# KiCad board frothfet-12ch.kicad_pcb (continued)
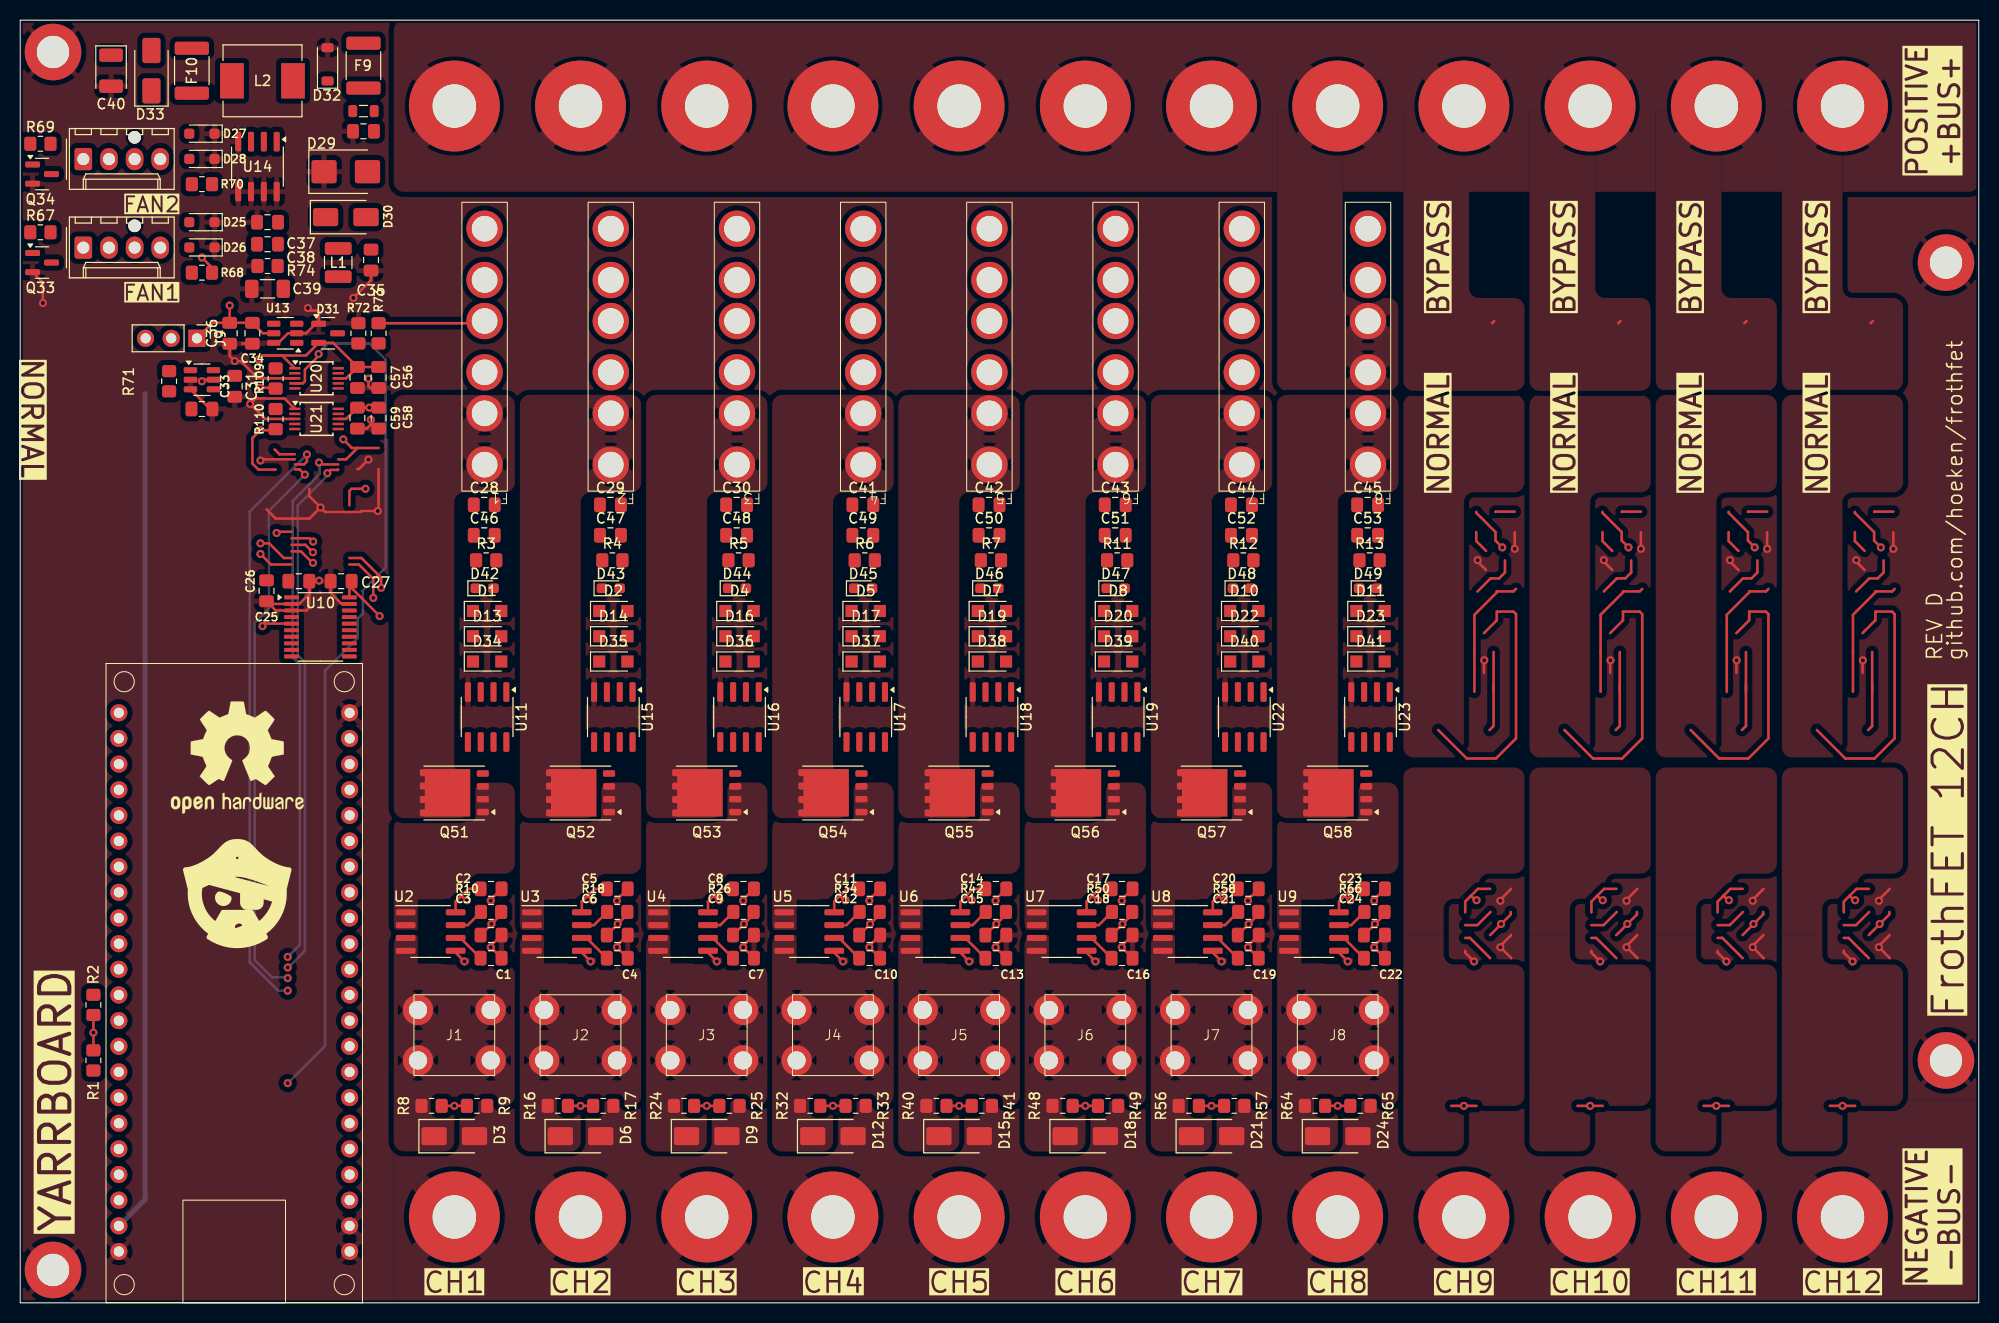
[diagram p0: board, top side]
## Footprints (pads in the part's own frame, mm; a bottom-side part is the same pattern mirrored in y, then rotated) (continued)
ATC Bypass Fuse
  round 3.6 hole 2.54: 1(-11.68,0) 1(-6.6,0) 2(-2.54,0) 2(2.54,0) 3(6.6,0) 3(11.68,0)
Busbar Rev D
  round 9 hole 4.3: 1(0,0) 2(12.5,0) 3(25,0) 4(37.5,0) 5(50,0) 6(62.5,0) 7(75,0) 8(87.5,0) 9(100,0) 10(112.5,0) 11(125,0) 12(137.5,0)
C_0805_2012Metric_Pad1.18x1.45mm_HandSolder
  rrect 1.175x1.45 smd: 1(-1.038,0) 2(1.038,0)
C_1206_3216Metric_Pad1.33x1.80mm_HandSolder
  rrect 1.325x1.8 smd: 1(-1.562,0) 2(1.562,0)
CP_EIA-3528-21_Kemet-B
  rrect 1.325x2.35 smd: 1(-1.538,0) 2(1.538,0)
D_SMA
  rrect 2.5x1.8 smd: 1(-2,0) 2(2,0)
D_SMB
  rrect 2.5x2.3 smd: 1(-2.15,0) 2(2.15,0)
D_SOD-123
  rrect 0.9x1.2 smd: 1(-1.65,0) 2(1.65,0)
D_SOD-323_HandSoldering
  rrect 1x1 smd: 1(-1.25,0) 2(1.25,0)
Fuse_1812_4532Metric_Pad1.30x3.40mm_HandSolder
  rrect 1.3x3.4 smd: 1(-2.225,0) 2(2.225,0)
Infineon_PG-TDSON-8_6.15x5.15mm
  rect 0.9x0.9 smd: (-0.8,1.725) (-0.8,0.575) (-0.8,-0.575) (-0.8,-1.725) (0.425,1.725) (0.425,0.575) (0.425,-0.575) (0.425,-1.725) (1.625,1.725) (1.625,0.575) (1.625,-0.575) (1.625,-1.725)
  rect 4.5x4.7 smd: 1(0.675,0)
  rrect 1x0.7 smd: 1(2.925,1.995) 1(2.925,0.665) 1(2.925,-0.665) 1(2.925,-1.995)
  rrect 1.2x0.65 smd: 2(-2.825,-1.905) 3(-2.825,1.905) 3(-2.825,0.635) 3(-2.825,-0.635)
L_0805_2012Metric
  rrect 0.875x1.2 smd: 1(-1.062,0) 2(1.062,0)
L_1210_3225Metric
  rrect 1.25x2.65 smd: 1(-1.4,0) 2(1.4,0)
L_Chilisin_BMRB00060650
  rect 2.35x3.5 smd: 1(-3.025,0) 2(3.025,0)
LED_0603_1608Metric_Pad1.05x0.95mm_HandSolder
  rrect 1.05x0.95 smd: 1(-0.875,0) 2(0.875,0)
Molex 0470531000
  round 1.25 hole 1.25 unplated: (5.08,2.16)
  rrect 1.74x2.19 hole 1.19: 1(0,0)
  oval 1.74x2.19 hole 1.19: 2(2.54,0) 3(5.08,0) 4(7.62,0)
MountingHole_3.2mm_M3_DIN965_Pad
  round 5.6 hole 3.2: 1(0,0)
Nexperia_CFP3_SOD-123W
  rect 1.2x1.2 smd: 1(-1.4,0) 2(1.4,0)
PinHeader_1x03_P2.54mm_Vertical
  rect 1.7x1.7 hole 1: 1(0,0)
  oval 1.7x1.7 hole 1: 2(0,-2.54) 3(0,-5.08)
R_0805_2012Metric_Pad1.20x1.40mm_HandSolder
  rrect 1.2x1.4 smd: 1(-1,0) 2(1,0)
SOIC-8_3.9x4.9mm_P1.27mm
  rrect 1.95x0.6 smd: 1(-2.475,1.905) 2(-2.475,0.635) 3(-2.475,-0.635) 4(-2.475,-1.905) 5(2.475,-1.905) 6(2.475,-0.635) 7(2.475,0.635) 8(2.475,1.905)
SOT-23
  rrect 1.475x0.6 smd: 1(-0.938,0.95) 2(-0.938,-0.95) 3(0.938,0)
SOT-23-6
  rrect 1.325x0.6 smd: 1(-1.137,0.95) 2(-1.137,0) 3(-1.137,-0.95) 4(1.137,-0.95) 5(1.137,0) 6(1.137,0.95)
T44001
  round 3 hole 1.8: 1(-2.5,3.6) 1(-2.5,-3.6) 1(2.5,3.6) 1(2.5,-3.6)
TSSOP-10_3x3mm_P0.5mm
  rect 1.1x0.25 smd: 1(-2.15,1) 2(-2.15,0.5) 3(-2.15,0) 4(-2.15,-0.5) 5(-2.15,-1) 6(2.15,-1) 7(2.15,-0.5) 8(2.15,0) 9(2.15,0.5) 10(2.15,1)
TSSOP-20_4.4x6.5mm_P0.65mm
  rrect 1.475x0.4 smd: 1(-2.862,2.925) 2(-2.862,2.275) 3(-2.862,1.625) 4(-2.862,0.975) 5(-2.862,0.325) 6(-2.862,-0.325) 7(-2.862,-0.975) 8(-2.862,-1.625) 9(-2.862,-2.275) 10(-2.862,-2.925) 11(2.862,-2.925) 12(2.862,-2.275) 13(2.862,-1.625) 14(2.862,-0.975) 15(2.862,-0.325) 16(2.862,0.325) 17(2.862,0.975) 18(2.862,1.625) 19(2.862,2.275) 20(2.862,2.925)
Waveshare-ESP32-S3-dev-kit
  round 1.7 hole 1: 1(1.27,58.42) 2(1.27,55.88) 3(1.27,53.34) 4(1.27,50.8) 5(1.27,48.26) 6(1.27,45.72) 7(1.27,43.18) 8(1.27,40.64) 9(1.27,38.1) 10(1.27,35.56) 11(1.27,33.02) 12(1.27,30.48) 13(1.27,27.94) 14(1.27,25.4) 15(1.27,22.86) 16(1.27,20.32) 17(1.27,17.78) 18(1.27,15.24) 19(1.27,12.7) 20(1.27,10.16) 21(1.27,7.62) 22(1.27,5.08) 23(24.13,5.08) 24(24.13,7.62) 25(24.13,10.16) 26(24.13,12.7) 27(24.13,15.24) 28(24.13,17.78) 29(24.13,20.32) 30(24.13,22.86) 31(24.13,25.4) 32(24.13,27.94) 33(24.13,30.48) 34(24.13,33.02) 35(24.13,35.56) 36(24.13,38.1) 37(24.13,40.64) 38(24.13,43.18) 39(24.13,45.72) 40(24.13,48.26) 41(24.13,50.8) 42(24.13,53.34) 43(24.13,55.88) 44(24.13,58.42)

## Nets
+3.3V: C2.1 C5.1 C8.1 C11.1 C14.1 C17.1 C20.1 C23.1 C27.1 C34.1 C36.1 C56.1 C57.1 C58.1 C59.1 D31.2 J9.1 R1.2 R2.2 R68.2 R70.2 R109.2 R110.2 U1.1 U1.2 U2.8 U3.8 U4.8 U5.8 U6.8 U7.8 U8.8 U9.8 U10.20 U13.5 U20.1 U20.8 U21.8
+5V: C40.1 D33.2 F10.1 FAN1.2 FAN2.2
+24V: F1.2 F2.2 F3.2 F4.2 F5.2 F6.2 F7.2 F8.2 F9.2 J10.1 J10.2 J10.3 J10.4 J10.5 J10.6 J10.7 J10.8 J10.9 J10.10 J10.11 J10.12 R72.2
GND: C1.2 C2.2 C3.2 C4.2 C5.2 C6.2 C7.2 C8.2 C9.2 C10.2 C11.2 C12.2 C13.2 C14.2 C15.2 C16.2 C17.2 C18.2 C19.2 C20.2 C21.2 C22.2 C23.2 C24.2 C25.2 C26.2 C27.2 C31.2 C32.2 C33.2 C34.2 C35.2 C36.2 C37.2 C39.2 C40.2 C56.2 C57.2 C58.2 C59.2 D3.2 D6.2 D9.2 D12.2 D15.2 D18.2 D21.2 D24.2 D25.1 D26.1 D27.1 D28.1 D29.1 D31.1 D32.2 H1.1 H2.1 H3.1 H4.1 J11.1 J11.2 J11.3 J11.4 J11.5 J11.6 J11.7 J11.8 J11.9 J11.10 J11.11 J11.12 Q33.2 Q34.2 R9.1 R17.1 R25.1 R33.1 R41.1 R49.1 R57.1 R65.1 R73.1 R74.2 U1.22 U1.23 U1.24 U1.44 U2.5 U3.5 U4.5 U5.5 U6.5 U7.5 U8.5 U9.5 U10.2 U10.3 U10.19 U11.4 U12.2 U12.3 U12.5 U13.2 U13.6 U14.4 U14.5 U14.6 U14.7 U14.8 U15.4 U16.4 U17.4 U18.4 U19.4 U20.3 U21.1 U21.3 U22.4 U23.4
/CHANNEL 1/CURRENT_ADC: C3.1 R10.1 U10.5
/CHANNEL 1/PWM: R3.1 U1.41 U11.2
/CHANNEL 2/CURRENT_ADC: C6.1 R18.1 U10.6
/CHANNEL 2/PWM: R4.1 U1.40 U15.2
/CHANNEL 3/CURRENT_ADC: C9.1 R26.1 U10.7
/CHANNEL 3/PWM: R5.1 U1.39 U16.2
/CHANNEL 4/CURRENT_ADC: C12.1 R34.1 U10.8
/CHANNEL 4/PWM: R6.1 U1.38 U17.2
/CHANNEL 5/CURRENT_ADC: C15.1 R42.1 U10.9
/CHANNEL 5/PWM: R7.1 U1.37 U18.2
/CHANNEL 6/CURRENT_ADC: C18.1 R50.1 U10.10
/CHANNEL 6/PWM: R11.1 U1.36 U19.2
/CHANNEL 7/CURRENT_ADC: C21.1 R58.1 U10.11
/CHANNEL 7/PWM: R12.1 U1.34 U22.2
/CHANNEL 8/CURRENT_ADC: C24.1 R66.1 U10.12
/CHANNEL 8/PWM: R13.1 U1.33 U23.2
ADC1_CS: U1.16 U10.13
ADC2_CS: U1.11
ADC3_CS: U1.13
ESP32_5V: C31.1 D33.1 U1.21 U12.4 U12.6
FAN_MOSFET1: R67.2 U1.8
FAN_MOSFET2: R69.2 U1.5
FAN_PWM1: D25.2 FAN1.4 U1.9
FAN_PWM2: D27.2 FAN2.4 U1.6
FAN_TACH1: D26.2 FAN1.3 R68.1 U1.10
FAN_TACH2: D28.2 FAN2.3 R70.1 U1.7
MISO: U1.19 U10.16
MOSI: U1.18 U10.15
REF_3V3: C25.1 C26.1 J9.2 U10.1 U10.4
SCK: U1.17 U10.14
SCL: R1.1 U1.15 U13.3 U20.10 U21.10
SDA: R2.1 U1.12 U13.4 U20.9 U21.9
VOLT1: R8.1 R9.2 U20.4
VOLT2: R16.1 R17.2 U20.5
VOLT3: R24.1 R25.2 U20.6
VOLT4: R32.1 R33.2 U20.7
VOLT5: R40.1 R41.2 U21.4
VOLT6: R48.1 R49.2 U21.5
VOLT7: R56.1 R57.2 U21.6
VOLT8: R64.1 R65.2 U21.7
Net-(C33-Pad1): C33.1 R71.1
Net-(C38-Pad2): C38.2 R74.1
Net-(D1-A): D1.2 D34.2 F1.1 Q51.1
Net-(D1-K): C28.1 D1.1 D13.1 U11.1
Net-(D2-A): D2.2 D35.2 F2.1 Q52.1
Net-(D3-K): D3.1 F1.3 J1.1 R8.2 U2.3 U2.4
Net-(D6-K): D6.1 F2.3 J2.1 R16.2 U3.3 U3.4
Net-(D9-K): D9.1 F3.3 J3.1 R24.2 U4.3 U4.4
Net-(D10-A): D10.2 D40.2 F7.1 Q57.1
Net-(D10-K): C44.1 D10.1 D22.1 U22.1
Net-(D11-A): D11.2 D41.2 F8.1 Q58.1
Net-(D11-K): C45.1 D11.1 D23.1 U23.1
Net-(D12-K): D12.1 F4.3 J4.1 R32.2 U5.3 U5.4
Net-(D13-A): C46.1 D13.2 D34.1
Net-(D14-A): C47.1 D14.2 D35.1
Net-(D14-K): C29.1 D2.1 D14.1 U15.1
Net-(D15-K): D15.1 F5.3 J5.1 R40.2 U6.3 U6.4
Net-(D16-A): C48.1 D16.2 D36.1
Net-(D16-K): C30.1 D4.1 D16.1 U16.1
Net-(D17-A): C49.1 D17.2 D37.1
Net-(D17-K): C41.1 D5.1 D17.1 U17.1
Net-(D18-K): D18.1 F6.3 J6.1 R48.2 U7.3 U7.4
Net-(D19-A): C50.1 D19.2 D38.1
Net-(D19-K): C42.1 D7.1 D19.1 U18.1
Net-(D20-A): C51.1 D20.2 D39.1
Net-(D20-K): C43.1 D8.1 D20.1 U19.1
Net-(D21-K): D21.1 F7.3 J7.1 R56.2 U8.3 U8.4
Net-(D22-A): C52.1 D22.2 D40.1
Net-(D23-A): C53.1 D23.2 D41.1
Net-(D24-K): D24.1 F8.3 J8.1 R64.2 U9.3 U9.4
Net-(D29-A2): C32.1 D29.2 D30.2 FB1.2
Net-(D30-K): C35.1 D30.1 L1.1
Net-(D31-COM): D31.3 R72.1 R73.2 U13.1
Net-(D32-K): D32.1 L2.1 U14.2
Net-(D36-A): D4.2 D36.2 F3.1 Q53.1
Net-(D37-A): D5.2 D37.2 F4.1 Q54.1
Net-(D38-A): D7.2 D38.2 F5.1 Q55.1
Net-(D39-A): D8.2 D39.2 F6.1 Q56.1
Net-(D42-A): D42.2 R3.2
Net-(D42-K): C28.2 C46.2 D42.1 Q51.3 U2.1 U2.2 U11.3
Net-(D43-A): D43.2 R4.2
Net-(D43-K): C29.2 C47.2 D43.1 Q52.3 U3.1 U3.2 U15.3
Net-(D44-A): D44.2 R5.2
Net-(D44-K): C30.2 C48.2 D44.1 Q53.3 U4.1 U4.2 U16.3
Net-(D45-A): D45.2 R6.2
Net-(D45-K): C41.2 C49.2 D45.1 Q54.3 U5.1 U5.2 U17.3
Net-(D46-A): D46.2 R7.2
Net-(D46-K): C42.2 C50.2 D46.1 Q55.3 U6.1 U6.2 U18.3
Net-(D47-A): D47.2 R11.2
Net-(D47-K): C43.2 C51.2 D47.1 Q56.3 U7.1 U7.2 U19.3
Net-(D48-A): D48.2 R12.2
Net-(D48-K): C44.2 C52.2 D48.1 Q57.3 U8.1 U8.2 U22.3
Net-(D49-A): D49.2 R13.2
Net-(D49-K): C45.2 C53.2 D49.1 Q58.3 U9.1 U9.2 U23.3
Net-(F9-Pad1): F9.1 FB1.1
Net-(FAN1--): FAN1.1 Q33.3
Net-(FAN2--): FAN2.1 Q34.3
Net-(J9-Pin_3): J9.3 R71.2 U12.1
Net-(Q33-G): Q33.1 R67.1
Net-(Q34-G): Q34.1 R69.1
Net-(Q51-G): Q51.2 U11.5
Net-(Q52-G): Q52.2 U15.5
Net-(Q53-G): Q53.2 U16.5
Net-(Q54-G): Q54.2 U17.5
Net-(Q55-G): Q55.2 U18.5
Net-(Q56-G): Q56.2 U19.5
Net-(Q57-G): Q57.2 U22.5
Net-(Q58-G): Q58.2 U23.5
Net-(U2-FILTER): C1.1 U2.6
Net-(U2-VIOUT): R10.2 U2.7
Net-(U3-FILTER): C4.1 U3.6
Net-(U3-VIOUT): R18.2 U3.7
Net-(U4-FILTER): C7.1 U4.6
Net-(U4-VIOUT): R26.2 U4.7
Net-(U5-FILTER): C10.1 U5.6
Net-(U5-VIOUT): R34.2 U5.7
Net-(U6-FILTER): C13.1 U6.6
Net-(U6-VIOUT): R42.2 U6.7
Net-(U7-FILTER): C16.1 U7.6
Net-(U7-VIOUT): R50.2 U7.7
Net-(U8-FILTER): C19.1 U8.6
Net-(U8-VIOUT): R58.2 U8.7
Net-(U9-FILTER): C22.1 U9.6
Net-(U9-VIOUT): R66.2 U9.7
Net-(U14-FB): F10.2 L2.2 U14.3
Net-(U14-VIN): C37.1 C38.1 C39.1 L1.2 U14.1
Net-(U20-ALERT/RDY): R109.1 U20.2
Net-(U21-ALERT/RDY): R110.1 U21.2

Pads without a net: U1 3 4 14 20 25 26 27 28 29 30 31 32 35 42 43; U10 17 18; U11 6 7 8; U15 6 7 8; U16 6 7 8; U17 6 7 8; U18 6 7 8; U19 6 7 8; U22 6 7 8; U23 6 7 8

## Via types
v1: diameter 0.8, hole 0.4, Top to Bottom, 130 vias

## Routing (per net, layer and track width the routed paths; a pad name or vN(x,y) marks a point on that pad's centre or on a via; arc(x,y) is an arc through that point)
+3.3V: length 126.2
  Top w0.25: 33.4,84.64 32.28,83.52 31.5,83.52 ; 33.4,84.64 32.86,84.64 v1(32,85.5) ; 33.4,84.64 35.5,84.64 ; U10.20 32.6,71.22 C27.1 32.83,70.78 v1(35.6,68) ; C2.1 44.39,40.99 43.7,40.3 ; v1(94.25,39.86) 94.13,39.86 93.7,40.3 ; C20.1 119.39,40.99 118.7,40.3 ; C59.1 32.28,87.52 U21.8 ; C59.1 v1(34.58,88.64) 32.81,88.64 ; C59.1 C58.1 ; 93.7,40.3 93.13,39.73 U6.8 ; 93.7,40.3 94.39,40.99 C14.1 ; R68.2 19,102.5 v1(18,103.5) ; R2.2 v1(7.25,26.75) R1.2 ; 143.7,40.3 143.13,39.73 143.13,38.67 ; 143.7,40.3 144.39,40.99 145.6,40.99 ; 143.7,40.3 144.13,39.86 v1(144.25,39.86) ; 170.6,40.99 169.39,40.99 168.7,40.3 ; 158.1,40.99 156.89,40.99 156.2,40.3 ; v1(44.25,39.86) 44.14,39.86 43.7,40.3 ; U7.8 105.63,39.73 106.2,40.3 ; v1(69.25,39.86) 69.14,39.86 68.7,40.3 ; 106.2,40.3 106.63,39.86 v1(106.75,39.86) ; 106.2,40.3 106.89,40.99 C17.1 ; 168.7,40.3 169.13,39.86 v1(169.25,39.86) ; 168.7,40.3 168.13,39.73 168.13,38.67 ; 131.2,40.3 131.63,39.86 v1(131.75,39.86) ; 131.2,40.3 130.63,39.73 U9.8 ; 131.2,40.3 131.89,40.99 C23.1 ; v1(181.75,39.86) 181.63,39.86 181.2,40.3 ; v1(81.75,39.86) 81.63,39.86 81.2,40.3 ; U20.8 32.28,91.54 C57.1 ; 156.2,40.3 155.63,39.73 155.63,38.67 ; 156.2,40.3 156.63,39.86 v1(156.75,39.86) ; 56.2,40.3 56.89,40.99 C5.1 ; 56.2,40.3 56.64,39.86 v1(56.75,39.86) ; 56.2,40.3 55.63,39.73 U3.8 ; 181.2,40.3 180.63,39.73 180.63,38.67 ; 181.2,40.3 181.89,40.99 183.1,40.99 ; v1(23.78,90.6) 25.22,90.6 R109.2 ; U4.8 68.13,39.73 68.7,40.3 ; 68.7,40.3 69.39,40.99 C8.1 ; 81.2,40.3 81.89,40.99 C11.1 ; 81.2,40.3 80.63,39.73 U5.8 ; U20.1 25.94,93.8 24,93.8 ; J9.1 19.04,97.04 C36.1 ; 25.3,82.5 23.6,82.5 23,83.1 23,85.62 v1(23.78,86.4) 25.2,86.4 R110.2 ; 25.16,82.46 25.2,82.5 ; C36.1 v1(20.75,98.75) ; C36.1 C34.1 24.04,96 U13.5 ; U8.8 118.13,39.73 118.7,40.3 ; 33.09,92.66 C57.1 ; C57.1 C56.1 ; C57.1 31.01,95.05 D31.2 28.31,93.8 24,93.8 ; 25.16,86.46 25.2,86.5 ; 24,93.8 v1(23.6,93.4) 24,93.8 ; 43.7,40.3 43.13,39.73 U2.8 ; v1(119.25,39.86) 119.13,39.86 118.7,40.3 ; 25.16,90.48 25.2,90.52 ; 32.6,78.95 32.6,80.38 32.83,80.6 v1(34.2,80.6)
+24V: length 13.9
  Top w0.25: 70.79,97 F3.2 ; 120.79,97 F7.2 ; 183.29,97 183.5,97.21 ; 145.79,97 146,97.21 ; 58.29,97 F2.2 ; 83.29,97 F4.2 ; 158.29,97 158.5,97.21 ; 133.29,97 F8.2 ; F1.2 45.79,97 R72.2 ; 170.79,97 171,97.21 ; 95.79,97 F5.2 ; 108.29,97 F6.2
GND: length 175
  Top w0.25: 157.49,62.38 157.49,63.59 v1(157.52,63.62) ; C2.2 46.61,39.92 v1(46.61,39.81) ; 172.68,40.99 171.61,39.92 v1(171.61,39.81) ; C26.2 28.64,69.24 28.6,69.2 28.6,68.8 28.35,68.55 U10.3 25.31,68.55 C25.2 24.66,69.2 U10.2 27.64,69.2 28.64,70.2 C26.2 ; C26.2 29.55,71.45 v1(29.6,71.5) ; v1(144.36,73.54) 144.36,73.38 145.19,72.55 ; 28.64,80.6 28.64,79.86 v1(29.75,78.75) ; C11.2 84.11,39.92 v1(84.11,39.81) ; C9.2 71.61,35.35 v1(71.61,35.21) 72.68,34.14 C7.2 ; 155.63,34.86 155.63,34.67 v1(156.5,33.8) ; U12.5 18.15,91.4 v1(18,91.25) ; C35.2 34.75,101.25 v1(33,99.5) ; U2.5 43.13,34.67 v1(44,33.8) ; v1(2.25,99) 2.25,101.03 Q33.2 ; v1(131.5,33.8) 130.63,34.67 U9.5 ; U21.1 26.17,89.55 23.32,89.55 v1(22.78,89) 24.25,87.52 U21.3 ; v1(185.53,74.65) 185.53,76.29 ; 147.68,36.41 146.61,35.35 v1(146.61,35.21) 147.68,34.14 147.68,34.13 ; v1(69,33.8) 68.13,34.67 U4.5 ; U8.5 118.13,34.67 v1(119,33.8) ; C14.2 96.61,39.92 v1(96.61,39.81) ; C13.2 97.68,34.14 v1(96.61,35.21) 96.61,35.35 C15.2 ; 180.63,34.86 180.63,34.67 v1(181.5,33.8) ; v1(109.11,39.81) 109.11,39.92 C17.2 ; v1(169,33.8) 168.13,34.67 168.13,34.86 ; 182.49,62.38 182.49,63.59 v1(182.52,63.62) ; 185.18,36.41 184.11,35.35 v1(184.11,35.21) 185.18,34.14 185.18,34.13 ; U3.5 55.63,34.67 v1(56.5,33.8) ; v1(29.75,78.75) 30.2,78.3 33.7,78.3 33.8,78.4 v1(35.42,78.4) 35.5,78.47 35.5,82.56 ; v1(29.75,78.75) 28.65,77.65 25.31,77.65 24.4,78.56 ; 170.19,72.55 169.36,73.38 v1(169.36,73.54) ; 33.4,82.56 33.56,82.56 v1(34.5,83.5) ; v1(34.5,91.5) 34.5,90.75 34.67,90.58 C56.2 ; C36.2 20.75,93.75 v1(21.25,93.25) 21.85,93.25 23.56,91.54 U20.3 ; 160.18,34.13 160.18,34.14 v1(159.11,35.21) 159.11,35.35 160.18,36.41 ; C6.2 59.11,35.35 v1(59.11,35.21) 60.18,34.14 C4.2 ; U7.5 105.63,34.67 v1(106.5,33.8) ; 147.68,40.99 146.61,39.92 v1(146.61,39.81) ; C8.2 71.61,39.92 v1(71.61,39.81) ; 169.99,62.38 169.99,63.59 v1(170.02,63.62) ; v1(173.03,74.65) 173.03,76.29 ; v1(134.11,39.81) 134.11,39.92 C23.2 ; C34.2 22.04,94.96 22,95 ; C3.2 46.61,35.35 v1(46.61,35.21) 47.68,34.14 C1.2 ; 160.18,40.99 159.11,39.92 v1(159.11,39.81) ; v1(145.02,63.62) 144.99,63.59 144.99,62.38 ; 157.69,72.55 156.86,73.38 v1(156.86,73.54) ; U10.19 31.84,69.2 30.75,70.29 C27.2 ; 27.2,83.52 23.92,83.52 v1(23.8,83.4) ; 172.68,36.41 171.61,35.35 v1(171.61,35.21) 172.68,34.14 172.68,34.13 ; v1(59.11,39.81) 59.11,39.92 C5.2 ; C24.2 134.11,35.35 v1(134.11,35.21) 135.18,34.14 C22.2 ; v1(144,33.8) 143.13,34.67 143.13,34.86 ; v1(184.11,39.81) 184.11,39.92 185.18,40.99 ; 182.69,72.55 181.86,73.38 v1(181.86,73.54) ; C12.2 84.11,35.35 v1(84.11,35.21) 85.18,34.14 C10.2 ; U13.6 25.57,95.05 26.52,96 U13.2 28.32,96 29.27,96.95 D31.1 29.56,98.19 29.5,98.25 28.75,98.25 v1(28.5,98.5) ; v1(148.03,74.65) 148.03,76.29 ; v1(81.5,33.8) 80.63,34.67 U5.5 ; U12.3 18.81,88.5 C33.2 ; C59.2 34.31,86.56 34.73,86.98 v1(34.73,87.44) ; v1(94,33.8) 93.13,34.67 U6.5 ; C16.2 110.18,34.14 v1(109.11,35.21) 109.11,35.35 C18.2 ; C19.2 122.68,34.14 v1(121.61,35.21) 121.61,35.35 C21.2 ; v1(160.53,74.65) 160.53,76.29 ; v1(121.61,39.81) 121.61,39.92 C20.2
(no net): length 1997.2
  Top w0.25: 172.07,73.5 172.07,72.31 171.49,71.73 170.64,71.73 169.35,70.44 ; 144.04,60.5 144.04,68.12 146.26,70.34 146.26,70.44 147.91,70.44 148.16,70.69 ; 170.54,56.72 170.94,57.11 170.94,61.26 ; 169.22,76.31 169.22,75.42 170.19,74.45 ; 145.6,36.41 146.68,37.5 v1(146.68,37.51) 146.7,37.51 147.64,38.45 147.64,38.7 ; 183.04,56.72 183.44,57.11 183.44,61.26 ; 159.57,73.5 159.57,72.31 158.99,71.73 158.14,71.73 156.85,70.44 ; 144.35,70.44 145.64,71.73 146.49,71.73 147.07,72.31 147.07,73.5 ; 158.04,56.72 158.44,57.11 158.44,61.26 ; 157.49,66.31 158.76,67.58 158.76,68.44 160.41,68.44 160.66,68.19 160.66,55.89 158.67,53.89 155.78,53.89 152.96,56.72 ; 182.49,66.31 183.76,67.58 183.76,68.44 185.41,68.44 185.66,68.19 185.66,55.89 183.67,53.89 180.78,53.89 177.96,56.72 ; 145.6,34.13 143.6,36.13 143.13,36.13 ; 26.88,74.4 27.82,74.4 28.95,73.27 v1(29,73.27) ; 180.63,37.4 181.84,37.4 183.14,38.7 ; 144.99,66.31 146.26,67.58 146.26,68.44 147.91,68.44 148.16,68.19 148.16,55.89 146.17,53.89 143.28,53.89 140.46,56.72 ; 181.72,76.31 181.72,75.42 182.69,74.45 ; 32.6,73.1 33.55,73.1 34.97,71.67 v1(34.97,69.8) ; 171.13,78.31 171.16,78.34 173.03,78.34 ; 32.6,73.75 33.8,73.75 35.75,71.8 v1(35.75,70.8) ; 160.14,38.7 160.14,38.45 159.2,37.51 v1(159.18,37.51) 159.18,37.5 158.1,36.41 ; 179.25,19.5 181.75,19.5 ; 143.13,37.4 144.34,37.4 145.64,38.7 ; v1(28.2,82) 27.68,82.52 27.2,82.52 ; 26.88,75.05 28.25,75.05 28.7,74.6 28.72,74.6 v1(28.99,74.32) ; 185.66,70.69 185.41,70.44 183.76,70.44 183.76,70.34 181.54,68.12 181.54,60.5 ; 27.2,84.02 25.68,84.02 25.2,84.5 ; 169.04,60.5 169.04,68.12 171.26,70.34 171.26,70.44 172.91,70.44 173.16,70.69 ; 145.94,61.26 145.94,57.11 145.54,56.72 ; 148.03,78.34 146.16,78.34 146.13,78.31 ; 183.63,78.31 183.66,78.34 185.53,78.34 ; v1(30.42,82.15) 30.75,82.47 31.45,82.47 31.5,82.52 ; 26.88,76.35 25.53,76.35 v1(25.4,76.22) ; 158.63,78.31 158.66,78.34 160.53,78.34 ; 155.63,37.4 156.84,37.4 158.14,38.7 ; 27.2,83.02 28.12,83.02 28.4,83.3 v1(28.4,84) ; 26.88,73.1 24.85,73.1 v1(23.8,74.15) ; v1(23.8,75.2) 24.66,75.2 26.11,73.75 26.88,73.75 ; 170.64,38.7 169.34,37.4 168.13,37.4 ; 156.54,60.5 156.54,68.12 158.76,70.34 158.76,70.44 160.41,70.44 160.66,70.69 ; v1(29.02,75.37) 28.69,75.7 26.88,75.7 ; 31.5,83.02 29.78,83.02 v1(29.6,83.2) ; 181.85,70.44 183.14,71.73 183.99,71.73 184.57,72.31 184.57,73.5 ; 170.6,34.13 168.6,36.13 168.13,36.13 ; 166.75,19.5 169.25,19.5 ; 145.19,74.45 144.22,75.42 144.22,76.31 ; 183.1,36.41 184.18,37.5 v1(184.18,37.51) 184.2,37.51 185.14,38.45 185.14,38.7 ; 158.44,64.44 158.44,60.5 ; 183.1,34.13 181.1,36.13 180.63,36.13 ; 141.75,19.5 144.25,19.5 ; 157.69,74.45 156.72,75.42 156.72,76.31 ; 183.44,64.44 183.44,60.5 ; 172.64,38.7 172.64,38.45 171.7,37.51 v1(171.68,37.51) 171.68,37.5 170.6,36.41 ; 170.94,64.44 170.94,60.5 ; 165.46,56.72 168.28,53.89 171.17,53.89 173.16,55.89 173.16,68.19 172.91,68.44 171.26,68.44 171.26,67.58 169.99,66.31 ; 145.94,64.44 145.94,60.5 ; 158.1,34.13 156.1,36.13 155.63,36.13 ; 154.25,19.5 156.75,19.5
  In1.Cu w0.25: 92.2,71.4 91.32,72.28 ; 66.99,70.9 66.11,71.78 ; 15,68.75 16.3,70.05 16.3,74.5 16.75,74.95 18.05,74.95 22.27,70.73 35.68,70.73 v1(35.75,70.8) ; v1(180.5,19.5) 174.25,13.25 174.25,4.25 170.38,0.38 25.58,0.38 17.8,8.16 17.8,30.55 21.5,34.25 v1(26.5,34.25) ; v1(26.5,30.9) 21.65,30.9 20,29.25 20,8.08 26.2,1.88 133.75,1.88 136.75,4.88 136.75,13.25 v1(143,19.5) ; 67.61,72.4 66.71,73.3 ; 54.91,71.9 54.01,72.8 ; v1(29,73.27) 28.95,73.27 27.4,74.82 27.4,77.03 27.94,77.58 28.68,77.58 32.96,73.3 41.71,73.3 42.61,72.4 173.2,72.4 177,68.6 177,40.4 179.89,37.51 v1(184.18,37.51) ; 92.41,71.9 91.51,72.8 ; 105.11,72.4 104.21,73.3 ; v1(34.97,69.8) 21.45,69.8 17.08,74.17 ; 15,86 15,85.25 18.5,81.75 18.5,80.5 v1(23.8,75.2) ; v1(25.4,76.22) 25.4,74.4 27.4,72.4 31.3,72.4 31.92,71.78 41.11,71.78 41.99,70.9 ; 54.49,70.9 53.61,71.78 ; 91.99,70.9 91.11,71.78 ; 117.2,71.4 116.32,72.28 ; v1(168,19.5) 161.75,13.25 161.75,4.75 157.88,0.88 25.79,0.88 18.5,8.16 18.5,29.75 21.75,33 26.3,33 v1(26.5,33.2) ; 104.49,70.9 103.61,71.78 ; 80.11,72.4 79.21,73.3 ; 104.7,71.4 103.82,72.28 ; 54.7,71.4 53.82,72.28 ; 15,80 14,81 14,86.5 14.5,87 15.5,87 19.8,82.7 19.8,80.4 24.58,75.62 24.58,74.88 23.85,74.15 v1(23.8,74.15) ; 104.91,71.9 104.01,72.8 ; 79.49,70.9 78.61,71.78 ; 117.61,72.4 116.71,73.3 ; 135.7,70.9 139.6,67 139.6,40.2 142.29,37.51 v1(146.68,37.51) ; 116.99,70.9 116.11,71.78 ; v1(26.5,32.15) 21.9,32.15 19.25,29.5 19.25,8.12 26,1.38 146.25,1.38 149.25,4.38 149.25,13.25 v1(155.5,19.5) ; v1(171.68,37.51) 167.09,37.51 164.4,40.2 164.4,68 160.5,71.9 42.41,71.9 41.51,72.8 32.75,72.8 29.4,76.15 28.7,76.15 28.25,75.69 28.25,75.05 28.98,74.32 v1(28.99,74.32) ; 92.61,72.4 91.71,73.3 ; v1(159.18,37.51) 155.69,37.51 153,40.2 153,67.8 149.4,71.4 42.2,71.4 41.32,72.28 32.13,72.28 29.04,75.37 v1(29.02,75.37) 28.95,75.37 ; 79.91,71.9 79.01,72.8 ; 130.11,72.4 129.21,73.3 ; 117.41,71.9 116.51,72.8 ; 129.49,70.9 128.61,71.78 ; 67.2,71.4 66.32,72.28 ; 55.11,72.4 54.21,73.3 ; 67.41,71.9 66.51,72.8 ; 129.91,71.9 129.01,72.8 ; 129.7,71.4 128.82,72.28 ; 79.7,71.4 78.82,72.28
  Bottom w0.25: v1(30.42,82.15) 30.42,81.9 27.49,78.96 27.49,64.14 28.2,63.43 28.2,34.85 26.82,33.47 26.78,33.47 v1(26.5,33.2) ; v1(28.4,84) 22.72,78.32 22.72,33.73 25.55,30.9 v1(26.5,30.9) ; v1(29.6,83.2) 29.65,83.15 29.65,82.05 26.99,79.39 26.99,63.93 27.7,63.22 27.7,35.45 v1(26.5,34.25) ; v1(28.2,82) 24.62,78.42 24.62,68.72 23.22,67.32 23.22,33.94 24.94,32.22 26.42,32.22 v1(26.5,32.15)
/CHANNEL 1/CURRENT_ADC: length 54.6
  Top w0.25: C3.1 46.68,37.5 v1(46.68,37.51) 46.7,37.51 47.64,38.45 R10.1 ; U10.5 24.25,67.25 v1(24,67)
  In1.Cu w0.25: v1(46.68,37.51) 44.09,37.51 41.4,40.2 41.4,54.6 35.88,60.12 23.86,60.12 22.72,61.26 22.72,65.72 v1(24,67)
/CHANNEL 1/PWM: length 35
  In2.Cu w0.25: 32.83,51 37.8,51 39.6,52.8 39.6,71.1 43.79,75.29 46.31,75.29 46.8,74.8
/CHANNEL 2/CURRENT_ADC: length 23.9
  Top w0.25: R18.1 60.14,38.45 59.2,37.51 v1(59.18,37.51) 59.18,37.5 C6.1
  In1.Cu w0.25: 53.9,54.6 53.9,40.2 56.59,37.51 v1(59.18,37.51)
/CHANNEL 2/PWM: length 30
  In2.Cu w0.25: 59.3,74.8 58.81,75.29 56.29,75.29 52.1,71.1 52.1,52.8 50.3,51
/CHANNEL 3/CURRENT_ADC: length 23.9
  Top w0.25: R26.1 72.64,38.45 71.7,37.51 v1(71.68,37.51) 71.68,37.5 C9.1
  In1.Cu w0.25: v1(71.68,37.51) 69.09,37.51 66.4,40.2 66.4,54.6
/CHANNEL 3/PWM: length 30
  In2.Cu w0.25: 62.8,51 64.6,52.8 64.6,71.1 68.79,75.29 71.31,75.29 71.8,74.8
/CHANNEL 4/CURRENT_ADC: length 23.9
  Top w0.25: C12.1 84.18,37.5 v1(84.18,37.51) 84.2,37.51 85.14,38.45 R34.1
  In1.Cu w0.25: 78.9,54.6 78.9,40.2 81.59,37.51 v1(84.18,37.51)
/CHANNEL 4/PWM: length 30
  In2.Cu w0.25: 75.3,51 77.1,52.8 77.1,71.1 81.29,75.29 83.81,75.29 84.3,74.8
/CHANNEL 5/CURRENT_ADC: length 23.9
  Top w0.25: C15.1 96.68,37.5 v1(96.68,37.51) 96.7,37.51 97.64,38.45 R42.1
  In1.Cu w0.25: v1(96.68,37.51) 94.09,37.51 91.4,40.2 91.4,54.6
/CHANNEL 5/PWM: length 30
  In2.Cu w0.25: 87.8,51 89.6,52.8 89.6,71.1 93.79,75.29 96.31,75.29 96.8,74.8
/CHANNEL 6/CURRENT_ADC: length 23.9
  Top w0.25: C18.1 109.18,37.5 v1(109.18,37.51) 109.2,37.51 110.14,38.45 R50.1
  In1.Cu w0.25: 103.9,54.6 103.9,40.2 106.59,37.51 v1(109.18,37.51)
/CHANNEL 6/PWM: length 30
  In2.Cu w0.25: 109.3,74.8 108.81,75.29 106.29,75.29 102.1,71.1 102.1,52.8 100.3,51
/CHANNEL 7/CURRENT_ADC: length 23.9
  Top w0.25: C21.1 121.68,37.5 v1(121.68,37.51) 121.7,37.51 122.64,38.45 R58.1
  In1.Cu w0.25: v1(121.68,37.51) 119.09,37.51 116.4,40.2 116.4,54.6
/CHANNEL 7/PWM: length 30
  In2.Cu w0.25: 112.8,51 114.6,52.8 114.6,71.1 118.79,75.29 121.31,75.29 121.8,74.8
/CHANNEL 8/CURRENT_ADC: length 23.9
  Top w0.25: R66.1 135.14,38.45 134.2,37.51 v1(134.18,37.51) 134.18,37.5 C24.1
  In1.Cu w0.25: 128.9,54.6 128.9,40.2 131.59,37.51 v1(134.18,37.51)
/CHANNEL 8/PWM: length 30
  In2.Cu w0.25: 134.3,74.8 133.81,75.29 131.29,75.29 127.1,71.1 127.1,52.8 125.3,51
ESP32_5V: length 83.5
  Bottom w0.5: U1.21 12.38,10.22 12.38,90
MISO: length 16.7
  In2.Cu w0.25: U1.19 13.3,12.7 22.6,22
VOLT1: length 109.1
  Top w0.25: U20.4 27.98,91.04 28.2,91.26 28.2,92.4 29.56,93.76 v1(29.56,93.95) ; R8.1 R9.2
  In1.Cu w0.25: v1(26.5,21.75) 26.5,20.25 27.75,19 42.5,19 v1(43,19.5)
  Bottom w0.25: v1(29.56,93.95) 29.56,94.05 30.5,95 34.6,95 36.2,93.4 36.2,72.8 33.92,70.53 33.92,68.17 33.88,68.17 33.42,67.72 33.42,65.83 30.2,62.6 30.2,25.45 v1(26.5,21.75)
VOLT2: length 3.2
  Top w0.25: R16.1 R17.2
  In1.Cu w0.25: 55,19 v1(55.5,19.5)
VOLT3: length 50.2
  Top w0.25: R24.1 R25.2
  In1.Cu w0.25: 24.75,17.5 28.23,14.01 36.81,14.01 37.55,14.75 63.25,14.75 v1(68,19.5) 67.5,19
VOLT4: length 65.1
  Top w0.25: R32.1 R33.2
  In1.Cu w0.25: 80,19 v1(80.5,19.5) 75.25,14.25 38.85,14.25 36,11.4 28.85,11.4 24,16.25
VOLT5: length 79.8
  Top w0.25: R40.1 R41.2
  In1.Cu w0.25: 92.5,19 v1(93,19.5) 87.25,13.75 40.55,13.75 35.73,8.94 29.31,8.94 23.25,15
VOLT6: length 118.3
  Top w0.25: R48.1 R49.2
  In1.Cu w0.25: 105,19 v1(105.5,19.5) 99.25,13.25 99.25,5.12 97.5,3.38 26.83,3.38 22.25,7.95 22.25,26.5
VOLT7: length 133.3
  Top w0.25: R56.1 R57.2
  In1.Cu w0.25: 117.5,19 v1(118,19.5) 111.75,13.25 111.75,4.62 110,2.88 26.62,2.88 21.5,7.99 21.5,27.5
VOLT8: length 148.2
  Top w0.25: R64.1 R65.2
  In1.Cu w0.25: 130,19 v1(130.5,19.5) 124.25,13.25 124.25,4.5 122.12,2.38 26.41,2.38 20.75,8.04 20.75,28.75
Net-(U2-FILTER): length 3.3
  Top w0.25: U2.6 43.6,36.13 C1.1
Net-(U2-VIOUT): length 3
  Top w0.25: R10.2 44.33,37.4 U2.7
Net-(U3-FILTER): length 3.3
  Top w0.25: C4.1 56.1,36.13 U3.6
Net-(U3-VIOUT): length 3
  Top w0.25: U3.7 56.83,37.4 R18.2
Net-(U4-FILTER): length 3.3
  Top w0.25: U4.6 68.6,36.13 C7.1
Net-(U4-VIOUT): length 3
  Top w0.25: R26.2 69.33,37.4 U4.7
Net-(U5-FILTER): length 3.3
  Top w0.25: U5.6 81.1,36.13 C10.1
Net-(U5-VIOUT): length 3
  Top w0.25: U5.7 81.84,37.4 R34.2
Net-(U6-FILTER): length 3.3
  Top w0.25: C13.1 93.6,36.13 U6.6
Net-(U6-VIOUT): length 3
  Top w0.25: U6.7 94.34,37.4 R42.2
Net-(U7-FILTER): length 3.3
  Top w0.25: C16.1 106.1,36.13 U7.6
Net-(U7-VIOUT): length 3
  Top w0.25: R50.2 106.84,37.4 U7.7
Net-(U8-FILTER): length 3.3
  Top w0.25: C19.1 118.6,36.13 U8.6
Net-(U8-VIOUT): length 3
  Top w0.25: U8.7 119.34,37.4 R58.2
Net-(U9-FILTER): length 3.3
  Top w0.25: U9.6 131.1,36.13 C22.1
Net-(U9-VIOUT): length 3
  Top w0.25: U9.7 131.84,37.4 R66.2
unconnected-(U1-GPIO14-Pad20): length 235
  Top w0.25: 181.72,78.31 181.72,78.22 183.63,76.31 183.63,75.47 v1(184.3,74.8)
  In2.Cu w0.25: v1(184.3,74.8) 183.81,75.29 181.29,75.29 174.2,68.2 174.2,19.2 169.74,14.74 40.5,14.74 39.76,14 30.5,14 26.66,10.16 U1.20
unconnected-(U1-GPIO21-Pad27): length 198.4
  Top w0.25: 169.22,78.31 169.22,78.22 171.13,76.31 171.13,75.47 v1(171.8,74.8)
  In2.Cu w0.25: U1.27 159.24,15.24 161.8,17.8 161.8,68.29 168.8,75.29 171.31,75.29 v1(171.8,74.8)
unconnected-(U1-GPIO47-Pad28): length 180.3
  Top w0.25: 156.72,78.31 156.72,78.22 158.63,76.31 158.63,75.47 v1(159.3,74.8)
  In2.Cu w0.25: 38.01,15.74 146.74,15.74 149.4,18.4 149.4,68.8 155.89,75.29 158.81,75.29 v1(159.3,74.8)
unconnected-(U1-GPIO48-Pad29): length 70.6
  Top w0.25: 144.22,78.31 144.22,78.22 146.13,76.31 146.13,75.47 v1(146.8,74.8)
  In2.Cu w0.25: 134.64,16.24 136.8,18.4 136.8,68.3 143.79,75.29 146.31,75.29 v1(146.8,74.8)

## Copper pours and planes (outline as drawn; the poured copper is in the pictures)
+3.3V on In2.Cu: 194,0 194,127 0,127 0,0
+24V on Top: 162,90.3 174,90.3 174,99.5 168.5,99.5 168.5,118 162,118
+24V on Top: 124.5,90.3 136.5,90.3 136.5,99.5 131,99.5 131,118 124.5,118
+24V on Top: 174.5,90.3 186.5,90.3 186.5,99.5 180.5,99.5 180.5,118 174.5,118
+24V on Top: 149.5,90.3 161.5,90.3 161.5,99.5 156,99.5 156,118 149.5,118
+24V on Top: 137,90.3 149,90.3 149,99.5 143.5,99.5 143.5,118 137,118
+24V on Top, Bottom: 37,127 37,110 194,110 194,127
GND on Top, Bottom: 37,20 37,0 194,0 194,20
GND on Top, Bottom, In1.Cu: 0,127 194,127 194,0 0,0
(no net) on Top: 153.5,36.5 153.5,33.5 161.5,33.5 161.5,19.5 155.5,19.5 155.5,15 149.49,15 149.5,36.5
(no net) on Top: 141,36.5 141,40 144.5,40 144.5,42.5 149,42.5 149,53 137,53 137,36.5
(no net) on Top: 161.5,89.9 149.5,89.9 149.5,54 155.5,54 155.5,80.25 161.5,80.25
(no net) on Top: 166,36.5 166,33.5 174,33.5 174,19.5 168,19.5 168,15 161.99,15 162,36.5
(no net) on Top: 178.5,36.5 178.5,40 182,40 182,42.5 186.5,42.5 186.5,53 174.5,53 174.5,36.5
(no net) on Top: 141,36.5 141,33.5 149,33.5 149,19.5 143,19.5 143,15 136.99,15 137,36.5
(no net) on Top: 166,36.5 166,40 169.5,40 169.5,42.5 174,42.5 174,53 162,53 162,36.5
(no net) on Top: 149,89.9 137,89.9 137,54 143,54 143,80.25 149,80.25
(no net) on Top: 186.5,89.9 174.5,89.9 174.5,54 180.5,54 180.5,80.25 186.5,80.25
(no net) on Top: 153.5,36.5 153.5,40 157,40 157,42.5 161.5,42.5 161.5,53 149.5,53 149.5,36.5
(no net) on Top: 178.5,36.5 178.5,33.5 186.5,33.5 186.5,19.5 180.5,19.5 180.5,15 174.49,15 174.5,36.5
(no net) on Top: 174,89.9 162,89.9 162,54 168,54 168,80.25 174,80.25
(no net) on Bottom: 149.5,20 149.5,109 161.5,109 161.5,99.5 155.5,99.5 155.5,32.5 161.5,32.5 161.5,20
(no net) on Bottom: 174.5,20 174.5,109 186.5,109 186.5,99.5 180.5,99.5 180.5,32.5 186.5,32.5 186.5,20
(no net) on Bottom: 137,20 137,109 149,109 149,99.5 143,99.5 143,32.5 149,32.5 149,20
(no net) on Bottom: 162,20 162,109 174,109 174,99.5 168,99.5 168,32.5 174,32.5 174,20
Net-(D1-A) on Top: 49,89.9 37,89.9 37,48 44.5,48 44.5,52.5 43,52.5 43,80.25 49,80.25
Net-(D2-A) on Top: 61.5,89.9 49.5,89.9 49.5,48 57,48 57,52.5 55.5,52.5 55.5,80.25 61.5,80.25
Net-(D2-A) on Top: 61.5,89.9 49.5,89.9 49.5,48 57,48 57,52.5 55.5,52.5 55.5,80.25 61.5,80.25
Net-(D3-K) on Top: 41,36.5 41,33.5 49,33.5 49,19.5 43,19.5 43,15 36.99,15 37,36.5
Net-(D3-K) on Bottom: 37,20 37,109 49,109 49,99.5 43,99.5 43,32.5 49,32.5 49,20
Net-(D6-K) on Top: 53.5,36.5 53.5,33.5 61.5,33.5 61.5,19.5 55.5,19.5 55.5,15 49.49,15 49.5,36.5
Net-(D6-K) on Top: 53.5,36.5 53.5,33.5 61.5,33.5 61.5,19.5 55.5,19.5 55.5,15 49.49,15 49.5,36.5
Net-(D6-K) on Bottom: 49.5,20 49.5,109 61.5,109 61.5,99.5 55.5,99.5 55.5,32.5 61.5,32.5 61.5,20
Net-(D6-K) on Bottom: 49.5,20 49.5,109 61.5,109 61.5,99.5 55.5,99.5 55.5,32.5 61.5,32.5 61.5,20
Net-(D9-K) on Top: 66,36.5 66,33.5 74,33.5 74,19.5 68,19.5 68,15 61.99,15 62,36.5
Net-(D9-K) on Top: 66,36.5 66,33.5 74,33.5 74,19.5 68,19.5 68,15 61.99,15 62,36.5
Net-(D9-K) on Bottom: 62,20 62,109 74,109 74,99.5 68,99.5 68,32.5 74,32.5 74,20
Net-(D9-K) on Bottom: 62,20 62,109 74,109 74,99.5 68,99.5 68,32.5 74,32.5 74,20
Net-(D10-A) on Top: 124,89.9 112,89.9 112,48 119.5,48 119.5,52.5 118,52.5 118,80.25 124,80.25
Net-(D10-A) on Top: 124,89.9 112,89.9 112,48 119.5,48 119.5,52.5 118,52.5 118,80.25 124,80.25
Net-(D11-A) on Top: 136.5,89.9 124.5,89.9 124.5,48 132,48 132,52.5 130.5,52.5 130.5,80.25 136.5,80.25
Net-(D11-A) on Top: 136.5,89.9 124.5,89.9 124.5,48 132,48 132,52.5 130.5,52.5 130.5,80.25 136.5,80.25
Net-(D12-K) on Top: 78.5,36.5 78.5,33.5 86.5,33.5 86.5,19.5 80.5,19.5 80.5,15 74.49,15 74.5,36.5
Net-(D12-K) on Top: 78.5,36.5 78.5,33.5 86.5,33.5 86.5,19.5 80.5,19.5 80.5,15 74.49,15 74.5,36.5
Net-(D12-K) on Bottom: 74.5,20 74.5,109 86.5,109 86.5,99.5 80.5,99.5 80.5,32.5 86.5,32.5 86.5,20
Net-(D12-K) on Bottom: 74.5,20 74.5,109 86.5,109 86.5,99.5 80.5,99.5 80.5,32.5 86.5,32.5 86.5,20
